# Altium PCB MJVESC_MINI.PcbDoc (part 2 of 3)
Units mm, origin at the board's own origin, x right, y up, seen from the top; angles counter-clockwise.
Board outline 56 x 73 mm, 4 copper layers (Top Layer, Mid Layer 1, Mid Layer 2, Bottom Layer), stack 1.63 mm thick; 162 components, 145 nets, 746 pads, 509 vias.
Unrouted connection lines stored in the file: 3.
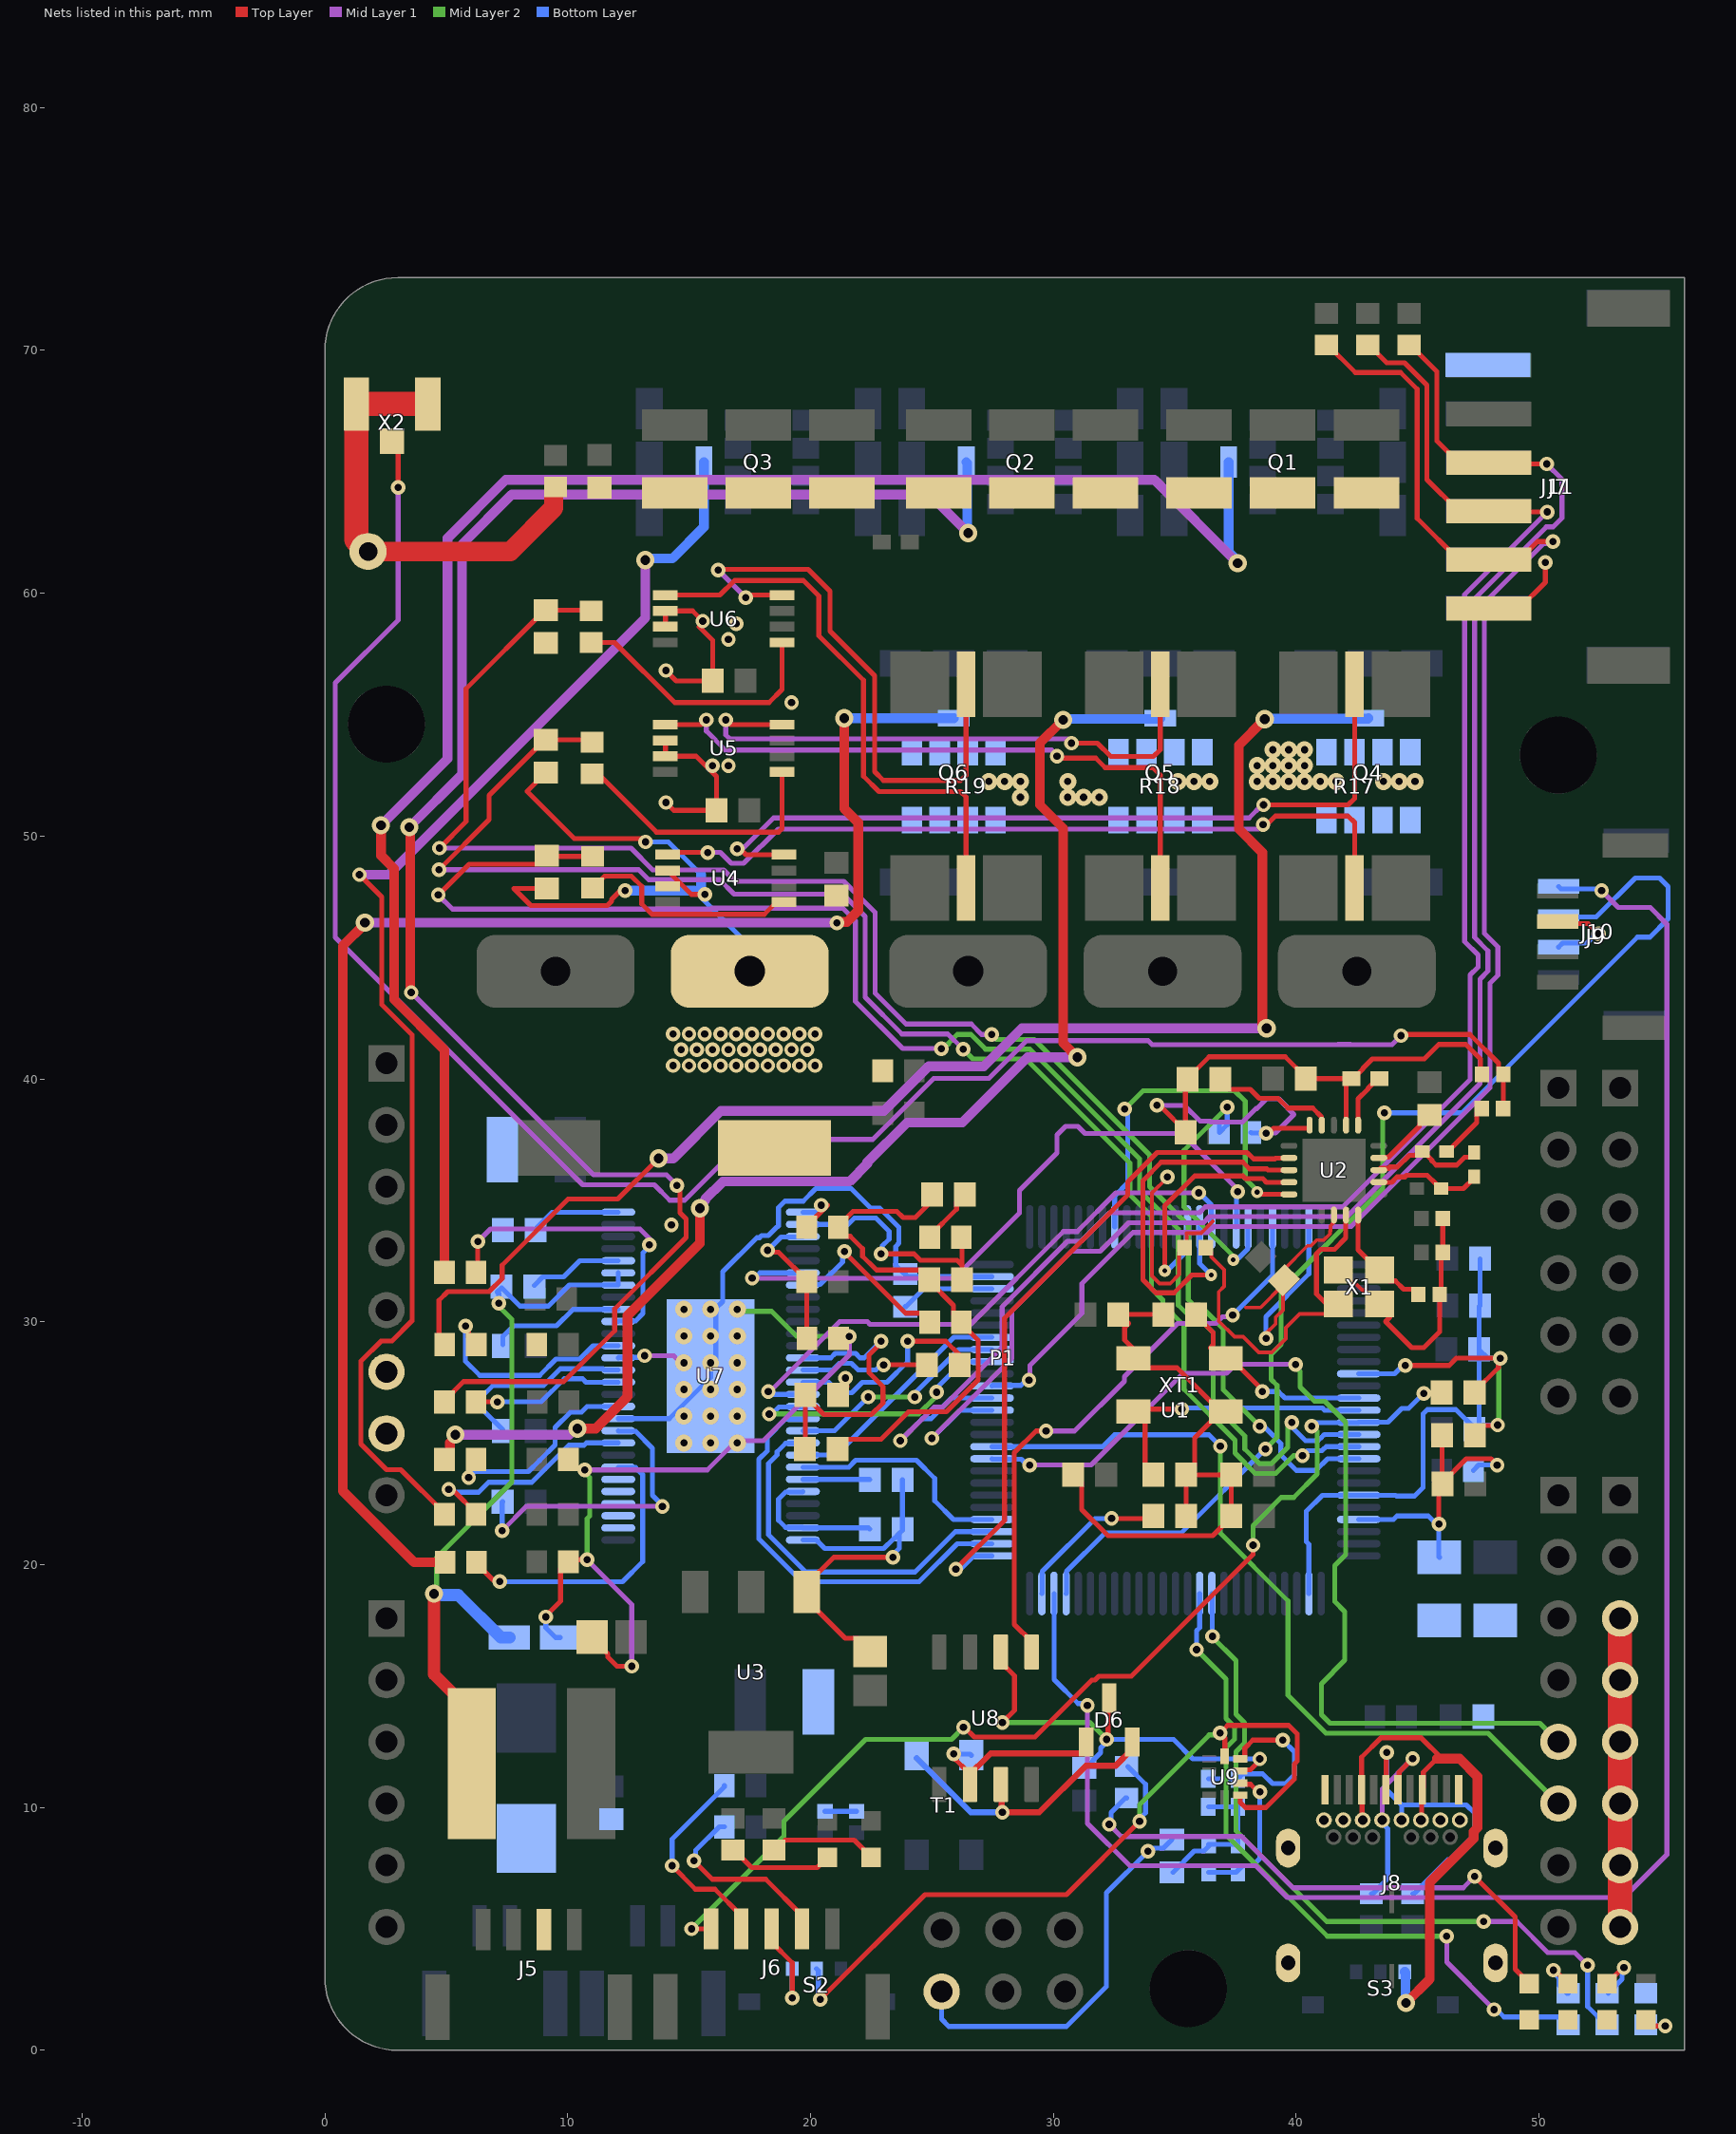
[diagram p4: the nets of this part, all layers, seen from the top]

## Via types
v1: diameter 0.6, hole 0.3, Top Layer to Bottom Layer, tented both sides, 278 vias
v2: diameter 0.7, hole 0.3, Top Layer to Bottom Layer, tented both sides, 176 vias
v3: diameter 0.75, hole 0.4, Top Layer to Bottom Layer, tented both sides, 26 vias
v4: diameter 0.7, hole 0.3, Top Layer to Bottom Layer, tented top, 18 vias
v5: diameter 0.5, hole 0.2, Top Layer to Bottom Layer, tented both sides, 6 vias
v6: diameter 0.5, hole 0.2, Top Layer to Bottom Layer, 4 vias
v7: diameter 0.75, hole 0.35, Top Layer to Bottom Layer, tented both sides, 1 vias

## Nets (pads, with @x,y where several pads share a name; then routed paths per layer and width w, separated by ;. In a path a pad name is that pad's centre, name@x,y a point inside that pad or via, vN(x,y) a via of type N, cw(c..) or ccw(c..) an arc to the next point about the centre after c; other vN are vias at no path point) (continued)
CAN_TRES_N: R42.2 R45.2 U9.4 | length 7.9
  Top Layer w0.203: U9.4@37.7,12 37.84,12 37.888,12.049 37.888,12.45 38.214,12.776 v1(39.446,12.776)
  Bottom Layer w0.203: R45.2@36.383,11.175 R42.2@37.6,11.175 37.6,11.184 37.798,11.382 38.622,11.382 39.026,10.978 39.57,10.978 39.924,11.332 39.924,12.299 v1(39.446,12.776)
CAN_TRES_P: R41.1 R44.1 U9.2 | length 6
  Top Layer w0.203: U9.2@37.7,11 37.746,10.955 38.116,10.955 38.428,10.643 v1(38.506,10.643)
  Bottom Layer w0.203: R44.1@36.4,7.325 37.525,7.325 37.798,7.598 38.21,7.598 38.506,7.895 v1(38.506,10.643)
CAN_TX: U1.96 U8.1 | length 24.3
  Top Layer w0.203: U8.1@29.11,16.4 29.11,16.825 28.396,17.54 28.396,24.611 29.285,25.5 v1(29.7,25.5)
  Mid Layer 1 w0.203: v1(29.7,25.5) 30.876,25.5 32.924,27.548 32.924,27.747 35.114,29.937 36.7,29.937 36.963,30.201 37.313,30.201 v1(37.389,30.277)
  Bottom Layer w0.203: v1(37.389,30.277) 39.028,31.916 U1.96@39.028,33.909
CS_A_N: R17.3 U4.1 | length 32.2
  Top Layer w0.203: U4.1@14.11,49.235 14.202,49.327 v1(15.773,49.327) ; v1(38.637,50.47) 38.786,50.47 39.142,50.826 42.138,50.826 42.408,50.556 R17.3@42.408,47.871
  Mid Layer 1 w0.203: v1(15.773,49.327) 16.29,49.327 16.382,49.235 16.382,49.229 16.736,48.875 17.251,48.875 18.668,50.292 38.459,50.292 v1(38.637,50.47) v1@38.617,50.47
CS_A_P: R17.4 U4.8 | length 33
  Top Layer w0.203: v1(16.986,49.479) 17.094,49.479 17.338,49.235 U4.8@18.91,49.235 ; v1(38.659,51.283) 42.139,51.283 42.408,51.552 R17.4@42.408,56.253
  Mid Layer 1 w0.203: v1(16.986,49.479) 17.209,49.479 18.479,50.749 38.062,50.749 38.595,51.283 v1(38.659,51.283)
CS_B_N: R18.3 U5.1 | length 26.3
  Top Layer w0.203: U5.1@14.094,54.589 15.508,54.589 v1(15.707,54.788) ; v1(30.15,53.289) 30.226,53.213 31.741,53.213 32.132,52.822 34.107,52.822 34.407,52.522 R18.3@34.407,47.871
  Mid Layer 1 w0.203: v1(15.707,54.788) 15.707,54.33 16.494,53.543 29.94,53.543 30.15,53.334 v1(30.15,53.289)
CS_B_P: R18.4 U5.8 | length 24.2
  Top Layer w0.203: v1(16.51,54.788) 16.709,54.589 U5.8@18.825,54.589 U5.8@18.894,54.589 ; v1(30.75,53.831) 31.818,53.831 32.37,53.279 34.127,53.279 34.407,53.56 R18.4@34.407,56.253
  Mid Layer 1 w0.203: v1(16.51,54.788) 16.51,54.173 16.683,54 30.58,54 v1(30.75,53.831)
CS_C_N: R19.3 U6.1 | length 23.3
  Top Layer w0.203: U6.1@14.025,59.923 16.272,59.923 16.872,60.523 19.713,60.523 20.345,59.891 20.345,58.252 22.18,56.417 22.18,52.47 22.817,51.833 26.187,51.833 26.406,51.615 R19.3@26.406,47.871
CS_C_P: R19.4 U6.8 | length 24.1
  Top Layer w0.203: v1(16.195,60.96) 16.195,60.98 19.902,60.98 20.802,60.08 20.802,58.441 22.637,56.606 22.637,52.659 23.006,52.29 26.187,52.29 26.406,52.509 R19.4@26.406,56.253 ; v1(17.338,59.817) 17.444,59.923 U6.8@18.825,59.923
  Mid Layer 1 w0.203: v1(16.195,60.96) v1(17.338,59.817)
CURRENT_1: C32.1 R23.2 U1.15 | length 63.5
  Top Layer w0.203: v1(4.674,47.574) 5.94,48.84 8.795,48.84 C32.1@9.143,49.189 9.168,49.164 R23.2@11.029,49.164
  Mid Layer 1 w0.203: v1(4.674,47.574) 5.253,46.995 15.897,46.995 15.937,47.036 21.332,47.036 21.85,46.518 21.85,43.195 23.795,41.25 v1(25.391,41.25)
  Mid Layer 2 w0.203: v1(25.391,41.25) 25.494,41.25 25.685,41.44 25.685,41.475 26.039,41.829 26.608,41.829 27.212,41.225 29.038,41.225 33.559,36.704 33.559,35.401 35.149,33.81 35.149,30.688 35.544,30.292 35.845,30.292 36.59,29.547 36.59,26.589 37.885,25.294 37.885,24.76 38.485,24.161 38.985,24.161 39.655,24.83 39.655,25.679 v1(39.824,25.848)
  Bottom Layer w0.203: v1(39.824,25.848) 39.824,25.666 40.39,25.1 40.89,25.1 41.017,25.227 41.03,25.227 41.162,25.359 U1.15@42.578,25.359
CURRENT_2: C33.1 R24.2 U1.16 | length 64.2
  Top Layer w0.203: v1(4.699,48.616) 6.763,50.68 6.763,51.677 9.05,53.964 C33.1@9.1,53.964 10.91,53.964 R24.2@11.011,53.863
  Mid Layer 1 w0.203: v1(4.699,48.616) 12.922,48.616 13.333,48.204 16.258,48.204 16.849,47.613 21.329,47.613 22.256,46.687 22.256,43.363 23.764,41.854 25.659,41.854 v1(26.289,41.224)
  Mid Layer 2 w0.203: v1(26.289,41.224) 26.695,40.819 28.87,40.819 33.153,36.536 33.153,35.233 34.04,34.345 34.04,31.363 34.507,30.896 34.507,30.716 35.381,29.843 35.381,27.224 37.48,25.125 37.48,24.591 38.316,23.755 39.154,23.755 39.885,24.486 v1(40.259,24.486)
  Bottom Layer w0.203: v1(40.259,24.486) 40.468,24.694 41.059,24.694 41.129,24.765 41.142,24.765 41.236,24.859 U1.16@42.578,24.859
CURRENT_3: C34.1 R25.2 U1.17 | length 68.5
  Top Layer w0.203: v1(4.724,49.505) 5.817,50.597 5.817,56.065 9.05,59.298 C34.1@9.1,59.298 10.944,59.298 R25.2@10.969,59.273 R25.2@11.03,59.334
  Mid Layer 1 w0.203: v1(4.724,49.505) 12.607,49.505 13.502,48.61 16.426,48.61 16.895,48.142 21.375,48.142 22.662,46.855 22.662,43.531 23.933,42.26 26.621,42.26 27.047,41.834 v1(27.457,41.834)
  Mid Layer 2 w0.203: v1(27.457,41.834) 27.661,41.631 29.207,41.631 33.965,36.872 33.965,35.569 35.555,33.979 35.555,30.917 35.773,30.698 36.013,30.698 36.996,29.716 36.996,27.207 v1(38.502,25.701)
  Bottom Layer w0.203: v1(38.502,25.701) 38.578,25.625 38.73,25.625 39.369,24.986 39.369,24.521 40.009,23.881 40.82,23.881 41.297,24.359 U1.17@42.578,24.359
EN_GATE: U1.91 U7.16 | length 24.3
  Mid Layer 1 w0.203: v1(18.263,27.127) 18.327,27.127 21.204,30.004 22.341,30.004 22.45,29.895 26.592,29.895 30.413,33.716 30.98,33.716 32.575,35.312 v1(35.986,35.312)
  Bottom Layer w0.203: v1(18.263,27.127) 18.378,27.012 U7.16@19.685,27.012 ; v1(35.986,35.312) 36.018,35.312 36.509,34.82 36.509,33.928 U1.91@36.528,33.909
FAULT: U1.93 U7.6 | length 28.4
  Mid Layer 1 w0.203: v1(17.6,31.8) 17.61,31.789 25.918,31.789 28.61,34.481 28.61,35.409 30.155,36.953 30.155,37.69 30.509,38.044 31.01,38.044 31.304,37.75 35.29,37.75 37.592,35.448 v1(37.592,35.357)
  Bottom Layer w0.203: v1(17.6,31.8) 17.707,31.8 17.919,32.012 U7.6@19.685,32.012 ; U1.93@37.528,33.909 37.547,33.928 37.547,35.311 v1(37.592,35.357)
GH_A: R14.2 U7.47 | length 13.2
  Top Layer w0.203: R14.2@6.223,32.029 6.3,32.106 v1(6.3,33.3)
  Mid Layer 1 w0.203: v1(6.3,33.3) 6.828,33.828 12.97,33.828 13.36,33.437 v1(13.36,33.172)
  Bottom Layer w0.203: U7.47@12.085,30.012 12.104,30.031 12.796,30.031 13.104,30.338 13.104,32.839 13.437,33.172 v1(13.36,33.172)
GH_B: R15.2 U7.42 | length 6.3
  Top Layer w0.203: R15.2@6.223,26.695 6.228,26.7 v1(7.1,26.7)
  Bottom Layer w0.203: v1(7.1,26.7) 8.904,26.7 9.86,27.656 10.612,27.656 10.756,27.512 U7.42@12.085,27.512
GH_C: R16.2 U7.37 | length 9.5
  Top Layer w0.203: v1(5.1,23.1) 5.176,23.024 5.322,23.024 6.223,22.123 R16.2@6.223,22.073
  Bottom Layer w0.203: v1(5.1,23.1) 5.207,23.1 5.329,22.979 6.332,22.979 6.745,23.392 8.522,23.392 10.048,24.918 10.679,24.918 10.773,25.012 U7.37@12.085,25.012
GL_A: R20.2 U7.45 | length 9.4
  Top Layer w0.203: v1(5.791,29.82) 5.791,29.712 5.915,29.589 5.915,29.381 R20.2@6.238,29.058
  Bottom Layer w0.203: v1(5.791,29.82) 5.791,28.381 6.383,27.79 8.845,27.79 9.523,28.468 10.497,28.468 11.041,29.012 U7.45@12.085,29.012
GL_B: R21.2 U7.40 | length 8.7
  Top Layer w0.203: v1(5.925,23.583) 5.925,24.035 R21.2@6.223,24.333
  Bottom Layer w0.203: v1(5.925,23.583) 6.167,23.825 8.381,23.825 8.849,24.294 9.484,24.928 9.484,25.645 10.119,26.279 10.569,26.279 10.802,26.512 U7.40@12.085,26.512
GL_C: R22.2 U7.35 | length 12.2
  Top Layer w0.203: R22.2@6.25,20.1 6.25,20.05 6.924,19.376 7.124,19.376 v1(7.2,19.3)
  Bottom Layer w0.203: v1(7.2,19.3) 12.261,19.3 13.09,20.129 13.09,23.7 12.796,23.993 12.104,23.993 U7.35@12.085,24.012
GND: C1.1 C2.2 C3.2 C4.1 C5.1 C6.1 C7.1 C8.1 C9.1 C10.1 C11.2 C12.2 C13.2 C14.2 C15.1 C16.1 C17.1 C18.1 C19.2 C20.2 C21.2 C22.2 C23.1 C24.1 C25.1 C26.1 C27.1 C28.1 C29.1 C30.1 C31.1 C32.2 C33.2 C34.2 C35.2 C36.1 C37.1 C38.2 C39.1 C41.2 C42.1 C45.1 C46.1 C49.1 C50.1 C51.1 C52.1 C53.1 C54.1 C55.2 C56.1 C57.2 C58.2 C59.2 C60.2 C61.2 C62.2 C63.2 C65.2 C66.1 C67.1 D1.2 D2.2 D5.A D6.3 D7.2 GND.1 J1.2 J5.2 J6.3 J7.1 J8.A1 J8.A12 J8.B1 J8.B12 J8.Shell J9.2 J10.2 J11.1 P1.5 P1.6 P1.36 P1.37 P1.38 P1.39 P1.40 P1.41 P1.55 Q4.7 Q4.8 Q4.9 Q4.10 Q4.11 Q4.12 Q4.13 Q4.14 Q5.7 Q5.8 Q5.9 Q5.10 Q5.11 Q5.12 Q5.13 Q5.14 Q6.7 Q6.8 Q6.9 Q6.10 Q6.11 Q6.12 Q6.13 Q6.14 R9.1 R12.2 R27.2 R30.2 R31.2 R32.2 R34.2 R37.2 R38.2 R40.2 R50.1 S2.2 U1.10 U1.20 U1.27 U1.74 U1.99 U2.8 U2.14 U2.17 U2.20 U3.1 U4.2 U4.3 U5.2 U5.3 U6.2 U6.3 U7.28 U7.30 U7.31 U7.32 U7.33 U7.34 U7.39 U7.44 U7.57 U8.2 U9.3 X1.2 X1.4 X2.2 XT1.G | length 356.6
  Top Layer w0.152: v1(34.696,35.966) 34.696,35.934 34.066,35.303 34.066,31.886 34.376,31.577 34.814,31.577 35.18,31.943 35.18,32.821 C61.2@35.404,33.045 35.486,33.045 35.486,33.644 36.085,33.644 36.571,34.13 ; 37.922,30.589 38.532,30.589 C60.2@39.456,31.513 ; v1(38.76,29.312) 38.76,29.515 39.155,29.909 39.155,30.183 39.456,30.484 C60.2@39.456,31.513 ; U2.8@41.554,34.396 41.536,34.377 41.536,34.079 41.409,33.952 41.409,33.74 41.391,33.721 41.391,33.62 41.137,33.366 40.856,33.366 40.618,33.127 40.468,33.127 39.492,32.151 C60.2@39.492,31.718 39.492,31.548 C60.2@39.456,31.513 ; X1.4@41.79,32.281 41.79,32.131 42.361,31.56 42.466,31.56 42.724,31.302 42.819,31.302 43.24,30.881 X1.2@43.34,30.881
  Top Layer w0.203: v1(9.1,17.85) 9.1,17.882 9.71,18.491 9.71,19.793 R40.2@10.033,20.117 10.116,20.2 v1(10.8,20.2) ; C33.2@9.1,52.614 8.327,51.841 10.275,49.893 13.073,49.893 v1(13.208,49.759) ; C32.2@9.143,47.839 7.783,47.839 8.488,47.135 11.63,47.135 11.809,47.313 11.809,47.396 12.164,47.752 v1(12.37,47.752) ; R37.2@10.033,24.333 10.033,24.283 10.356,23.96 10.64,23.96 v1(10.7,23.9) ; C16.1@11.011,17.018 11.011,16.968 11.656,16.323 11.656,16.192 12.033,15.815 v1(12.643,15.815) ; U5.2@14.025,53.939 U5.3@14.025,53.289 15.291,53.289 16.125,52.455 C30.1@16.125,51.06 14.37,51.06 v1(14.046,51.384) ; U6.3@14.025,58.623 U6.2@14.025,59.273 15.141,59.273 v1(15.563,58.851) ; v1(14.046,56.82) 14.472,56.394 C31.1@15.979,56.394 15.979,58.062 v1@15.418,58.623 ; U4.2@14.11,48.585 15.095,47.6 v1(15.646,47.6) ; J6.3@18.4,5 18.4,4.45 19.25,3.6 v1(19.25,2.15) ; C46.1@21.122,24.765 21.122,24.815 21.47,25.163 22.909,25.163 24.041,26.296 25.6,26.296 26.905,27.6 26.905,29.237 26.212,29.929 R32.2@26.212,29.979 25.889,30.303 25.889,30.68 24.887,31.682 24.887,31.782 24.539,32.13 22.715,32.13 22.65,32.195 22.144,32.701 22.144,33.011 21.638,33.517 21.466,33.517 21.264,33.719 21.264,34.062 21.753,34.551 23.555,34.551 23.811,34.295 24.312,34.295 25.014,34.997 C38.2@25.014,35.287 ; C45.1@21.143,26.982 21.504,27.343 21.438,27.409 v1(21.438,27.686) ; C17.1@22.454,16.421 21.905,16.969 21.427,16.969 19.851,18.545 U3.1@19.851,18.87 19.851,19.195 20.956,20.3 v1(23.4,20.3) ; U8.2@27.84,15.975 28.404,15.411 28.404,14.005 v1(27.9,13.5) ; C11.2@30.825,23.7 31.174,23.351 31.174,22.272 32.25,21.196 36.571,21.196 37.325,21.95 C10.1@37.325,23.7 C2.2@35.475,23.7 ; v1(32.2,12.8) 32.25,12.85 32.25,14.45 D6.3@32.3,14.5 ; v1(34.265,38.913) 34.341,38.837 34.452,38.837 C54.1@35.444,37.845 ; C3.2@34.525,30.3 C12.2@32.675,30.3 32.847,30.128 32.847,29.967 33.067,29.967 33.108,29.926 32.935,29.753 32.935,29.253 33.248,28.939 33.067,28.758 32.987,28.758 33.245,28.5 XT1.G@33.3,28.5 33.699,28.102 35.099,28.102 XT1.G@36.9,26.3 ; C54.1@35.444,37.795 C54.1@35.444,37.845 ; C5.1@35.475,22 C2.2@35.475,23.7 ; XT1.G@37.1,26.3 XT1.G@36.9,26.3 ; U9.3@37.7,11.5 37.746,11.546 38.116,11.546 38.5,11.929 v1(38.5,12) ; v1(38.76,37.77) 38.868,37.77 39.067,37.969 40.533,37.969 40.554,37.991 U2.20@40.554,38.096 ; C58.2@40.405,40.009 R50.1@42.253,40.009 ; C58.2@40.405,40.059 39.55,40.914 36.416,40.914 35.535,40.034 C63.2@35.535,39.984 35.444,39.892 C54.1@35.444,37.845 ; U2.17@42.054,38.096 42.054,39.811 R50.1@42.253,40.009 ; X1.2@43.34,30.881 43.854,30.367 43.854,30.181 43.682,30.008 44.755,28.936 45.256,28.936 45.911,29.59 C62.2@45.911,31.124 45.974,31.187 45.974,32.788 C66.1@46.038,32.851 C67.1@46.038,34.255 ; U2.14@43.404,36.746 43.436,36.778 43.805,36.778 45.089,38.062 45.089,38.163 45.437,38.511 C59.2@45.487,38.511 ; v1(44.5,28.2) 46.3,28.2 46.6,28.5 v1(48.4,28.5) 48.324,28.424 48.324,28.107 47.349,27.132 C6.1@47.349,27.082 ; J7.1@46.841,59.379 J7.1@47.941,59.379 49.191,59.379 50.267,60.454 v1(50.267,61.265) ; C20.2@47.364,25.379 47.713,25.728 48.278,25.728 v1(48.3,25.75) ; C65.2@47.655,40.189 47.596,40.248 47.596,40.813 46.986,41.422 45.876,41.422 45.278,40.824 43.138,40.824 42.75,40.436 42.75,40.405 42.354,40.009 R50.1@42.279,40.009 R50.1@42.253,40.009 ; J9.2@50.765,46.485 50.851,46.398 52.02,46.398 52.444,45.974 v1(52.451,45.974) ; C2.2@35.475,23.7 35.475,23.75 35.823,24.098 35.823,25.223 XT1.G@36.9,26.3
  Top Layer w0.8: GND.1@1.778,61.722 7.627,61.722 9.424,63.519 9.424,64.349 9.449,64.374 R38.2@9.499,64.374
  Top Layer w1: GND.1@1.778,61.722 1.295,62.205 X2.2@1.295,67.793 X2.2@4.245,67.793 ; P1.41@53.34,5.08 P1.40@53.34,7.62 P1.39@53.34,10.16 P1.38@53.34,12.7 P1.37@53.34,15.24 P1.36@53.34,17.78
  Mid Layer 1 w0.203: v1(10.7,23.9) 15.75,23.9 16.862,25.012 v4(16.985,25.012) 17.072,25.099 18.054,25.099 21.6,28.645 v1(21.6,29.4) ; v1(10.8,20.2) 12.643,18.357 v1(12.643,15.815) ; v1(13.171,28.6) 14.363,28.6 14.65,28.312 v4(14.785,28.312) ; v1(34.265,38.913) 35.391,38.913 36.046,38.258 36.462,38.258 36.493,38.227 37.789,38.227 38.342,38.78 38.383,38.78 38.781,39.178 39.281,39.178 39.636,38.824 39.636,38.808 39.912,38.532 39.15,37.77 v1(38.76,37.77)
  Mid Layer 2 w0.203: v1(10.7,23.9) 10.7,23.793 10.905,23.588 10.905,22 10.8,21.895 v1(10.8,20.2) ; v4(16.985,30.512) 17.066,30.431 18.396,30.431 19.427,29.4 v1(21.6,29.4) ; v1(27.9,13.5) 31.5,13.5 v1(32.2,12.8) ; v1(48.3,25.75) 48.35,25.8 48.35,28.45 v1(48.4,28.5)
  Bottom Layer w0.203: v1(9.1,17.85) 9.1,17.398 9.498,17 D5.A@9.7,17 ; U7.39@12.085,26.012 14.182,26.012 15.885,27.716 U7.57@15.885,27.762 15.885,28.097 16.1,28.312 U7.57@16.1,30.512 ; U7.44@12.085,28.512 12.104,28.531 13.102,28.531 v1(13.171,28.6) ; v1(13.208,49.759) 14.148,49.759 15.494,48.412 ; v1@15.507,47.46 17.5,45.467 J1.2@17.5,44.434 ; U7.57@16.1,30.553 16.383,30.836 16.383,32.058 17.789,33.464 17.903,33.464 17.987,33.548 18.268,33.548 18.619,33.899 18.634,33.899 18.68,33.946 18.68,34.2 18.681,34.324 18.68,34.7 18.947,34.967 19.702,34.967 20.216,35.481 21.678,35.481 22.483,34.676 22.856,34.676 23.642,33.89 23.642,33.236 23.51,33.105 23.51,32.323 23.859,31.975 C4.1@23.9,31.975 24.016,31.859 U1.74@27.478,31.859 ; v1(19.25,2.15) S2.2@19.25,3.355 ; U7.28@19.685,21.012 20.235,21.012 20.589,20.659 23.015,20.659 23.421,21.065 23.44,21.065 C51.1@23.664,21.288 ; C53.1@20.6,9.84 C57.2@21.9,9.84 ; v1(23.4,20.3) 23.4,20.407 23.664,20.671 C51.1@23.664,21.288 ; C49.1@23.789,23.495 C51.1@23.789,21.463 23.789,21.413 C51.1@23.664,21.288 ; P1.55@25.4,2.413 25.4,1.282 25.697,0.985 30.543,0.985 32.184,2.625 32.184,6.484 v1(33.9,8.2) ; C56.1@31.27,11.622 31.32,11.622 31.955,12.258 31.955,12.448 32.2,12.693 v1(32.2,12.8) 34.95,12.8 35.75,12 v1(38.5,12) ; v1@34.135,8.327 34.535,8.327 C55.2@34.883,8.676 ; R9.1@38.14,37.795 38.166,37.77 v1(38.76,37.77) ; v1(38.76,29.312) 38.76,30.206 40.528,31.974 U1.99@40.528,33.909 ; U1.27@40.528,18.809 40.528,20.841 40.423,20.946 40.423,22.201 41.08,22.859 U1.20@42.578,22.859 44.097,22.859 44.135,22.822 44.878,22.822 45.232,23.176 45.232,24.689 45.23,24.691 45.23,26.204 45.409,26.382 46.58,26.382 47.335,25.628 C22.2@47.335,25.578 47.507,25.75 v1(48.3,25.75) ; U1.10@42.578,27.859 44.052,27.859 44.393,28.2 v1(44.5,28.2) ; C22.2@47.538,25.781 C9.1@47.538,28.848 ; C7.1@47.578,32.594 C8.1@47.578,30.663 47.538,30.623 C9.1@47.538,28.848 ; v1(48.4,28.5) 47.887,28.5 C9.1@47.538,28.848 ; J10.2@50.809,45.426 50.977,45.594 51.976,45.594 52.356,45.974 v1(52.451,45.974)
  Bottom Layer w0.4: v1(12.37,47.752) 15.215,47.752 ; 15.494,48.412 15.494,47.752 v1(15.646,47.6)
  Bottom Layer w1: P1.41@53.34,5.08 P1.40@53.34,7.62 P1.39@53.34,10.16 P1.38@53.34,12.7
  other v1: 14.275,33.985 14.343,40.551 14.993,40.551 15.643,40.551 16.293,40.551 16.943,40.551 17.593,40.551 18.243,40.551 18.893,40.551 19.543,40.551 20.193,40.551 14.668,41.201 15.318,41.201 15.968,41.201 16.618,41.201 17.268,41.201 17.918,41.201 18.568,41.201 19.218,41.201 19.868,41.201 14.343,41.851 14.993,41.851 15.643,41.851 16.293,41.851 16.943,41.851 17.593,41.851 18.243,41.851 18.893,41.851 19.543,41.851 20.193,41.851 15.968,52.901 16.618,52.901 19.218,55.501 16.618,58.101 16.943,58.751
  other v2: 28.643,51.601 30.593,51.601 31.243,51.601 31.893,51.601 27.343,52.251 27.993,52.251 28.643,52.251 30.593,52.251 35.143,52.251 35.793,52.251 36.443,52.251 38.393,52.251 39.043,52.251 39.693,52.251 40.343,52.251 40.993,52.251 41.643,52.251 43.593,52.251 44.243,52.251 44.893,52.251 38.393,52.901 39.043,52.901 39.693,52.901 40.343,52.901 39.043,53.551 39.693,53.551 40.343,53.551
  other v4: 14.785,25.012 15.885,25.012 14.785,26.112 15.885,26.112 16.985,26.112 14.785,27.212 15.885,27.212 16.985,27.212 15.885,28.312 16.985,28.312 14.785,29.412 15.885,29.412 16.985,29.412 14.785,30.512 15.885,30.512
GVDD: C45.2 C46.2 U7.13 | length 12.5
  Top Layer w0.203: C46.2@19.772,24.765 19.793,24.786 19.793,26.932 20.547,26.177 22.511,26.177 22.982,26.648 22.982,27.336 22.407,27.911 22.407,28.63 22.9,29.123 v1(22.9,29.2)
  Bottom Layer w0.203: U7.13@19.685,28.512 20.835,28.512 21.019,28.696 21.856,28.696 22.041,28.512 22.212,28.512 v1(22.9,29.2)
H1: U1.67 U7.17 | length 11.8
  Mid Layer 2 w0.203: v1(18.3,26.2) 18.311,26.211 24.465,26.211 25.124,26.869 25.124,27.024 v1(25.2,27.1)
  Bottom Layer w0.203: v1(18.3,26.2) 18.407,26.2 18.701,26.493 19.666,26.493 U7.17@19.685,26.512 ; v1(25.2,27.1) 25.2,27.28 26.274,28.354 27.473,28.354 U1.67@27.478,28.359
H2: U1.68 U7.19 | length 9.3
  Mid Layer 2 w0.203: v1(22.377,26.899) v1@24.299,26.899
  Bottom Layer w0.203: U7.19@19.685,25.512 20.991,25.512 v1(22.377,26.899) ; v1(24.3,26.9) 24.376,26.976 24.376,27.131 26.104,28.859 U1.68@27.478,28.859
H3: U1.69 U7.21 | length 9.8
  Bottom Layer w0.203: U7.21@19.685,24.512 21.057,24.512 25.904,29.359 U1.69@27.478,29.359
HALL_1: J7.4 R6.1 U1.63 | length 69.9
  Top Layer w0.203: R6.1@44.65,70.226 44.7,70.226 45.795,69.131 45.795,66.274 46.691,65.379 J7.4@47.941,65.379 47.991,65.329 v1(50.317,65.329)
  Mid Layer 1 w0.203: v1(25,25.2) 28.295,28.495 28.295,30.45 30.75,32.904 31.933,32.904 33.109,34.081 36.184,34.081 36.432,34.328 42.095,34.328 47.575,39.808 47.575,44.114 47.899,44.438 47.899,45.275 47.346,45.828 47.346,59.773 50.306,62.733 50.583,62.733 50.947,63.097 50.947,64.699 v1(50.317,65.329)
  Bottom Layer w0.203: v1(25,25.2) 26.159,26.359 U1.63@27.478,26.359
HALL_2: J7.3 R7.1 U1.64 | length 72.9
  Top Layer w0.203: R7.1@42.95,70.226 43,70.226 43.732,69.494 44.466,69.494 45.389,68.57 45.389,64.68 46.691,63.379 J7.3@47.941,63.379 48.062,63.5 48.215,63.348 v1(50.343,63.348)
  Mid Layer 1 w0.203: v1(23.7,25.1) 25.095,26.495 25.45,26.495 27.889,28.935 27.889,30.619 30.581,33.31 31.148,33.31 32.324,34.487 36.015,34.487 36.263,34.734 41.927,34.734 47.169,39.976 47.169,44.282 47.493,44.606 47.493,45.107 46.94,45.66 46.94,59.945 v1(50.343,63.348)
  Bottom Layer w0.203: v1(23.7,25.1) 24.608,26.008 24.963,26.008 25.814,26.859 U1.64@27.478,26.859
HALL_3: J7.2 R8.1 U1.65 | length 67.2
  Top Layer w0.203: R8.1@41.25,70.226 41.3,70.226 42.438,69.088 44.298,69.088 44.983,68.402 44.983,63.086 46.691,61.379 J7.2@47.941,61.379 49.191,61.379 49.941,62.128 v1(50.571,62.128)
  Mid Layer 1 w0.203: v1(29,27.6) 29.041,27.641 29.041,28.204 31.176,30.339 31.176,31.574 33.277,33.675 36.352,33.675 36.6,33.923 42.264,33.923 47.981,39.639 47.981,43.945 48.305,44.27 48.305,45.443 47.752,45.996 47.752,59.605 50.199,62.052 50.495,62.052 v1(50.571,62.128)
  Bottom Layer w0.203: U1.65@27.478,27.359 27.497,27.378 28.67,27.378 28.893,27.6 v1(29,27.6)
I2C2_SCL/UART3_TX: J10.3 U1.47 | length 48.9
  Mid Layer 2 w0.203: v1(38.735,24.765) 39.212,25.242 39.212,27.378 38.969,27.621 38.969,28.665 39.376,29.072 39.376,31.305 43.566,35.496 43.566,38.537 v1(43.637,38.608)
  Bottom Layer w0.203: U1.47@30.528,18.809 30.547,18.828 30.547,19.72 32.122,21.295 35.265,21.295 v1(38.735,24.765) ; v1(43.637,38.608) 46.822,38.608 54.055,45.842 54.571,45.842 55.316,46.587 55.316,47.926 54.962,48.28 53.963,48.28 52.358,46.676 J10.3@50.809,46.676
I2C2_SDA/UART3_RX: J10.4 U1.48 | length 79.5
  Mid Layer 1 w0.203: v1(31.4,14.2) 31.4,9.345 33.15,7.595 38.333,7.595 39.64,6.288 53.499,6.288 55.265,8.054 55.265,46.377 54.581,47.061 53.269,47.061 v1(52.578,47.752)
  Bottom Layer w0.203: U1.48@30.028,18.809 30.028,15.267 31.019,14.276 31.324,14.276 v1(31.4,14.2) ; J10.4@50.809,47.926 50.907,47.828 52.502,47.828 v1(52.578,47.752)
L1: U1.52 U7.18 | length 17.1
  Bottom Layer w0.203: U7.18@19.685,26.012 19.666,25.993 18.974,25.993 18.218,25.238 18.218,24.685 17.869,24.335 17.869,21.062 19.641,19.289 24.473,19.289 26.043,20.859 U1.52@27.478,20.859
L2: U1.53 U7.20 | length 15.3
  Bottom Layer w0.203: U7.20@19.685,25.012 19.666,24.993 18.974,24.993 18.624,24.644 18.624,24.516 18.275,24.167 18.275,21.23 19.809,19.695 24.305,19.695 25.969,21.359 U1.53@27.478,21.359
L3: U1.54 U7.22 | length 9.5
  Bottom Layer w0.203: U7.22@19.685,24.012 21.575,24.012 21.863,24.299 24.365,24.299 25.116,23.548 25.116,22.629 25.886,21.859 U1.54@27.478,21.859
LED_GREEN: R2.1 U1.35 | length 30.1
  Mid Layer 1 w0.203: v1(47.725,5.3) 49.089,5.3 50.363,4.026 51.474,4.026 v1(52,3.5)
  Mid Layer 2 w0.203: v1(36.551,17.043) 36.551,17.013 37.521,16.043 37.521,13.833 37.873,13.481 37.873,12.644 37.521,12.292 37.521,9.041 41.258,5.305 47.72,5.305 v1(47.725,5.3)
  Bottom Layer w0.203: U1.35@36.528,18.809 36.551,18.786 v1(36.551,17.043) ; v1(52,3.5) 52,1.8 52.75,1.05 R2.1@52.8,1.05
LED_RED: R1.1 U1.36 | length 28.7
  Mid Layer 1 w0.203: v1(46.2,4.7) 46.2,3.625 v1(48.15,1.675)
  Mid Layer 2 w0.203: v1(35.9,16.5) 37.115,15.285 37.115,13.665 37.467,13.313 37.467,12.812 37.115,12.46 37.115,8.873 41.288,4.7 v1(46.2,4.7)
  Bottom Layer w0.203: v1(35.9,16.5) 35.9,17.282 36.028,17.41 U1.36@36.028,18.809 ; v1(48.15,1.675) 48.257,1.675 48.559,1.374 50.877,1.374 R1.1@51.2,1.05
NetC2_1: C2.1 U1.13 XT1.1 | length 12.2
  Top Layer w0.203: XT1.1@33.3,26.3 33.5,26.3 33.777,26.024 33.777,24.048 C2.1@34.125,23.7 ; XT1.1@33.5,26.359 33.546,26.405 v1(35.295,26.405)
  Bottom Layer w0.203: v1(35.295,26.405) 35.342,26.453 41.077,26.453 41.171,26.359 U1.13@42.578,26.359
NetC3_1: C3.1 U1.12 XT1.3 | length 8.7
  Top Layer w0.203: C3.1@35.875,30.3 35.875,30.253 36.223,29.905 36.224,29.902 36.236,29.902 36.59,29.547 36.59,29.047 36.472,28.928 36.9,28.5 37.3,28.5 38.608,27.192 v1(38.608,27.127)
  Bottom Layer w0.203: v1(38.608,27.127) 39.273,27.127 39.541,26.859 U1.12@42.578,26.859
NetC4_2: C4.2 U1.73 | length 3.9
  Bottom Layer w0.203: C4.2@23.9,30.625 23.931,30.625 24.665,31.359 U1.73@27.478,31.359
NetC5_2: C5.2 U1.49 | length 6.4
  Top Layer w0.203: v1(32.4,21.9) 34.025,21.9 C5.2@34.125,22
  Bottom Layer w0.203: U1.49@29.528,18.809 29.547,18.828 29.547,19.72 31.726,21.9 v1(32.4,21.9)
NetC19_1: C19.1 C20.1 L1.1 R13.1 U1.22 | length 12.3
  Top Layer w0.203: v1(45.877,21.676) 45.877,23.175 L1.1@46.025,23.323 46.014,23.334 C20.1@46.014,25.329 ; L1.1@46.025,23.373 47.011,24.359 48.02,24.359 v1(48.277,24.101)
  Bottom Layer w0.203: U1.22@42.578,21.859 44.005,21.859 44.152,22.006 45.44,22.006 45.77,21.676 v1(45.877,21.676) ; C19.1@45.9,20.3 45.877,20.323 45.877,21.493 45.885,21.5 v1@45.9,21.5 ; R13.1@47.299,23.882 47.519,24.101 v1(48.277,24.101)
NetC35_1: C35.1 R26.1 U7.2 | length 10.2
  Top Layer w0.203: v1(22.9,32.8) 24.266,32.8 24.53,32.536 26.035,32.536 26.237,32.334 ; R26.1@26.212,33.484 26.237,33.459 26.237,32.334 ; C35.1@26.237,31.732 26.237,32.334
  Bottom Layer w0.203: U7.2@19.685,34.012 21.551,34.012 21.809,34.27 22.687,34.27 23.236,33.722 23.236,33.405 22.959,33.128 22.959,32.859 v1(22.9,32.8)
NetC36_2: C36.2 U7.56 | length 3.7
  Bottom Layer w0.203: C36.2@8.676,33.782 8.676,33.832 9.356,34.512 U7.56@12.085,34.512
NetC38_1: C38.1 R26.2 | length 2.4
  Top Layer w0.203: R26.2@24.912,33.484 24.912,33.534 26.016,34.638 26.016,34.888 C38.1@26.364,35.237
NetC40_1: C40.1 D5.K L2.1 U7.50 U7.51 | length 31.7
  Top Layer w0.5: v3(4.5,18.8) 4.5,15.48 6.049,13.931 L2.1@6.049,11.811
  Mid Layer 2 w0.203: v3(4.5,18.8) 4.6,18.9 4.6,20.297 7.705,23.402 7.705,30.096 7.163,30.637 v1(7.163,30.759)
  Bottom Layer w0.203: v1(7.163,30.759) 7.163,31.158 7.1,31.221 7.281,31.402 8.036,30.648 9.207,30.648 10.071,31.512 U7.50@12.085,31.512 U7.51@12.085,32.012
  Bottom Layer w0.5: v3(4.5,18.8) 4.548,18.752 5.498,18.752 7.25,17 D5.K@7.6,17
NetC40_2: C40.2 U7.52 | length 3.9
  Bottom Layer w0.203: C40.2@8.631,31.502 8.979,31.851 9.836,31.851 10.497,32.512 U7.52@12.085,32.512
NetC43_2: C43.2 U7.48 | length 5.6
  Bottom Layer w0.203: C43.2@7.325,29.05 7.325,29.392 7.768,29.836 9.544,29.836 10.22,30.512 U7.48@12.085,30.512
NetC44_2: C44.2 U7.43 | length 7.9
  Bottom Layer w0.203: C44.2@7.325,25.5 7.325,25.55 6.496,26.38 6.496,26.95 6.929,27.383 9.013,27.383 9.692,28.062 11.459,28.062 11.509,28.012 U7.43@12.085,28.012
NetC47_1: C47.1 U7.14 | length 5.4
  Top Layer w0.203: v1(23.011,28.226) C47.1@24.8,28.226
  Bottom Layer w0.203: U7.14@19.685,28.012 20.909,28.012 21.187,28.29 21.688,28.29 21.966,28.012 22.689,28.012 22.904,28.226 v1(23.011,28.226)
NetC47_2: C47.2 U7.15 | length 8.6
  Top Layer w0.203: v1(24,29.2) 25.568,29.199 26.15,28.617 C47.2@26.15,28.226
  Bottom Layer w0.203: U7.15@19.685,27.512 20.757,27.512 21.187,27.082 21.705,27.082 22.136,27.512 23.152,27.512 24,28.36 v1(24,29.2)
NetC48_2: C48.2 U7.38 | length 12.5
  Mid Layer 1 w0.203: v1(7.3,21.4) 8.3,22.4 v1(13.9,22.4)
  Bottom Layer w0.203: v1(7.3,21.4) 7.3,22.567 C48.2@7.321,22.588 ; U7.38@12.085,25.512 12.104,25.493 12.796,25.493 13.496,24.794 13.496,22.85 13.9,22.446 v1(13.9,22.4)
NetC49_2: C49.2 U7.23 | length 2.8
  Bottom Layer w0.203: U7.23@19.685,23.512 22.422,23.512 C49.2@22.439,23.495
NetC51_2: C51.2 U7.24 U7.27 | length 5.9
  Bottom Layer w0.203: U7.24@19.685,23.012 19.666,22.993 18.974,22.993 18.681,22.7 18.681,21.824 18.974,21.531 19.666,21.531 U7.27@19.685,21.512 22.39,21.512 C51.2@22.439,21.463
NetC55_1: C55.1 R41.2 R42.1 R44.2 R45.1 | length 6
  Bottom Layer w0.203: C55.1@34.933,7.326 35.808,8.202 36.202,8.202 36.4,8.4 R44.2@36.4,8.475 R41.2@37.6,8.475 R42.1@37.6,10.025 R45.1@36.383,10.025
NetC61_1: C61.1 U2.9 X1.1 | length 14.9
  Top Layer w0.152: C61.1@36.284,33.045 36.508,32.821 36.508,32.668 37.029,32.147 37.029,31.452 36.81,31.233 36.81,30.037 37.462,29.385 37.81,29.385 38.462,28.733 39,28.733 39.573,29.306 39.573,29.749 40.146,30.322 41.216,30.322 41.248,30.354 X1.1@41.248,30.734 ; 41.101,30.881 X1.1@41.64,30.881
  Top Layer w0.203: X1.1@41.248,30.734 41.101,30.881 40.836,31.146 40.836,31.455 40.836,32.807 41.014,32.986 41.579,32.986 42.045,33.452 42.045,34.387 U2.9@42.054,34.396
NetC62_1: C62.1 U2.10 X1.3 | length 4.7
  Top Layer w0.203: U2.10@42.554,34.396 42.554,32.967 43.839,31.683 44.086,31.683 44.426,31.342 44.832,31.342 45.031,31.144 C62.1@45.031,31.124
NetC63_1: C63.1 U2.19 | length 5.2
  Top Layer w0.203: C63.1@36.885,39.984 36.885,39.934 37.241,39.578 38.106,39.578 38.479,39.205 39.255,39.205 39.661,38.799 40.684,38.799 41.045,38.437 41.045,38.105 U2.19@41.054,38.096
NetC64_1: C64.1 C65.1 X2.1 | length 79.4
  Top Layer w0.152: C65.1@48.518,40.171 C65.1@48.535,40.189
  Top Layer w0.203: X2.1@2.77,66.268 3.023,66.015 v1(3.023,64.364) ; v1(44.323,41.783) 44.368,41.828 47.155,41.828 48.337,40.646 48.337,40.387 C65.1@48.535,40.189 ; C64.1@48.518,38.784 48.527,38.793 48.527,40.163 C65.1@48.518,40.171
  Mid Layer 1 w0.203: v1(3.023,64.364) 3.023,58.903 0.432,56.312 0.432,45.831 10.619,35.643 13.566,35.643 14.202,35.006 14.818,35.006 17.321,37.51 22.568,37.51 25.076,40.017 27.348,40.017 28.905,41.574 33.903,41.574 34.069,41.408 41.722,41.408 41.736,41.422 42.237,41.422 42.251,41.408 43.948,41.408 v1(44.323,41.783)
NetC64_2: C64.2 L3.2 | length 2.4
  Top Layer w0.203: L3.2@46.192,37.008 46.242,37.008 47.44,38.205 47.44,38.586 C64.2@47.638,38.784
NetD1_1: D1.1 R1.2 | length 2
  Top Layer w0.203: v1(50.6,3.3) 50.642,3.3 D1.1@51.192,2.75
  Bottom Layer w0.203: v1(50.6,3.3) 50.6,3.193 50.827,2.966 50.827,2.673 51.15,2.35 R1.2@51.2,2.35
NetD2_1: D2.1 R2.2 | length 2.3
  Top Layer w0.203: D2.1@52.8,2.75 53.45,3.4 v1(53.5,3.4)
  Bottom Layer w0.203: R2.2@52.85,2.35 53.424,2.924 53.424,3.324 v1(53.5,3.4)
NetD3_2: D3.2 R12.1 | length 1.7
  Top Layer w0.203: D3.2@54.4,1.25 54.65,1 v1(55.2,1)
  Bottom Layer w0.203: R12.1@54.4,1.05 54.45,1 v1(55.2,1)
NetD4_2: D4.2 R48.1 | length 4.5
  Top Layer w0.203: R48.1@18.5,8.25 18.55,8.25 18.954,8.654 21.795,8.654 D4.2@22.5,7.95
NetD6_1: D6.1 T1.1 U8.6 | length 7.6
  Top Layer w0.203: v1(25.9,12.2) 25.976,12.124 25.976,11.969 26.438,11.507 U8.6@26.438,11.243
  Top Layer w0.254: U8.6@26.438,11.243 27.422,12.227 31.177,12.227 31.35,12.4 D6.1@31.35,12.7
  Bottom Layer w0.203: v1(25.9,12.2) 26.575,12.2 T1.1@26.625,12.15
NetD6_2: D6.2 T1.4 U8.7 | length 12.2
  Top Layer w0.254: U8.7@27.84,10.95 27.87,10.92 v1@27.87,9.895 ; v1(27.9,9.8) 29.422,9.8 31.33,11.708 32.558,11.708 33.25,12.4 D6.2@33.25,12.7
  Bottom Layer w0.254: T1.4@24.375,12.025 26.6,9.8 v1(27.9,9.8)
NetD7_1: D7.1 R43.2 | length 23.5
  Top Layer w0.203: v1(47.346,7.163) 49.016,5.492 49.016,3.334 D7.1@49.6,2.75 D7.1@49.302,3.049
  Mid Layer 1 w0.203: v1(32.3,9.3) 32.796,8.804 37.758,8.804 39.868,6.694 46.877,6.694 v1(47.346,7.163)
  Bottom Layer w0.203: v1(32.3,9.3) 32.376,9.376 32.376,9.79 32.97,10.384 R43.2@33.02,10.384
NetD8_2: D8.2 R49.1 | length 4.4
  Top Layer w0.203: R49.1@16.8,8.25 16.85,8.25 17.58,7.521 20.271,7.521 D8.2@20.7,7.95
NetJ6_2: J6.2 R4.1 | length 8
  Top Layer w0.203: v1(15.2,7.8) 15.958,7.042 18.158,7.042 19.65,5.55 J6.2@19.65,5
  Bottom Layer w0.203: v1(15.2,7.8) 15.276,7.876 15.276,8.234 16.242,9.2 R4.1@16.45,9.2
NetJ6_4: J6.4 R5.1 | length 8.4
  Top Layer w0.203: v1(14.3,7.6) 15.264,6.636 16.064,6.636 17.15,5.55 J6.4@17.15,5
  Bottom Layer w0.203: v1(14.3,7.6) 14.3,8.7 16.45,10.85 R5.1@16.45,10.9
NetJ8_A4: J8.A4 J8.A9 J8.B4 J8.B9 S3.1 | length 23.2
  Top Layer w0.203: J8.B9@42.742,9.478 42.717,9.503 42.717,10.703 J8.A4@42.692,10.728 42.692,12.072 43.487,12.867 45.147,12.867 46.006,12.008 ; J8.B4@45.142,9.478 45.167,9.503 45.167,10.703 J8.A9@45.192,10.728 ; J8.A9@45.167,10.753 45.238,10.824 45.238,11.454 45.791,12.008
  Top Layer w0.4: v3(44.525,1.95) 45.497,2.922 45.497,6.903 47.309,8.715 47.309,9.002 47.47,9.163 47.47,11.27 46.732,12.008 46.067,12.008 ; 45.791,12.008 46.006,12.008
  Bottom Layer w0.4: S3.1@44.475,3.23 44.5,3.205 44.5,1.975 v3(44.525,1.95)
NetJ8_A6: J8.A6 J8.B6 R11.2 | length 12.2
  Top Layer w0.203: J8.A6@43.692,10.728 43.715,10.751 43.715,12.24 v1(43.737,12.263)
  Bottom Layer w0.203: v1(43.737,12.263) 43.737,10.714 44.342,10.109 ; J8.B6@44.342,9.478 44.342,10.109 ; R11.2@44.8,6.45 44.85,6.45 46.245,7.845 46.3,7.845 47.371,8.917 47.371,9.739 47.001,10.109 44.342,10.109
NetJ8_A7: J8.A7 J8.B7 R10.2 | length 8
  Top Layer w0.203: J8.A7@44.192,10.728 44.238,10.774 44.238,11.454 v1(44.8,12.017)
  Mid Layer 1 w0.203: J8.B7@43.542,9.478 43.542,10.759 v1(44.8,12.017)
  Bottom Layer w0.203: R10.2@43.1,6.45 43.15,6.45 43.772,7.071 43.772,9.128 43.542,9.357 J8.B7@43.542,9.478
NetL3_1: L3.1 L4.1 U2.13 | length 4.7
  Top Layer w0.203: U2.13@43.404,36.246 43.475,36.316 43.807,36.316 43.863,36.372 44.174,36.372 44.662,36.859 45.044,36.859 L3.1@45.192,37.008 45.242,37.008 45.588,36.662 45.588,36.632 45.766,36.453 46.618,36.453 46.939,36.774 47.185,36.774 47.333,36.923 L4.1@47.333,36.973
NetL4_2: L4.2 L5.1 U2.12 | length 4.5
  Top Layer w0.203: U2.12@43.404,35.746 43.937,35.746 44.157,35.966 44.471,35.966 44.544,36.039 45.397,36.039 45.772,35.664 45.772,35.633 45.921,35.484 46.895,35.484 47.333,35.923 L4.2@47.333,35.973
NetQ1_15: Q1.15 R14.1 | length 71.7
  Top Layer w0.4: v3(2.311,50.444) 2.311,49.203 2.853,48.662 2.853,43.27 4.923,41.2 R14.1@4.923,32.029
  Mid Layer 1 w0.4: v3(2.311,50.444) 5.051,53.184 5.051,62.27 7.449,64.668 34.163,64.668 v3(37.592,61.239)
  Bottom Layer w0.4: Q1.15@37.221,65.4 37.221,61.705 37.592,61.334 v3(37.592,61.239)
NetQ2_15: Q2.15 R15.1 | length 74.9
  Top Layer w0.203: R15.1@4.923,26.695 4.923,26.745 5.711,27.534 9.84,27.534 11.938,29.632 11.938,30.531 14.879,33.472 14.879,34.236 14.63,34.484 14.63,35.789 14.63,35.738 v1(14.503,35.611)
  Top Layer w0.4: v3(3.48,50.368) 3.518,50.33 3.518,43.599 v1(3.556,43.561)
  Mid Layer 1 w0.203: v1(3.556,43.561) 11.068,36.049 14.065,36.049 14.399,35.715 14.45,35.715 14.503,35.662 v1(14.503,35.611)
  Mid Layer 1 w0.4: v3(3.48,50.368) 5.654,52.542 5.654,62.02 7.699,64.065 24.911,64.065 v3(26.492,62.484)
  Bottom Layer w0.4: Q2.15@26.417,65.4 26.455,65.362 26.455,62.522 v3(26.492,62.484)
NetQ3_15: Q3.15 R16.1 | length 54.3
  Top Layer w0.203: v1(1.422,48.412) 2.349,47.486 2.349,43.061 3.594,41.815 3.594,30.043 2.761,29.21 2.319,29.21 1.486,28.377 1.486,24.963 2.534,23.914 3.131,23.914 4.923,22.123 R16.1@4.923,22.073
  Mid Layer 1 w0.4: v1(1.422,48.412) 2.624,48.412 13.2,58.989 v3(13.2,61.366)
  Bottom Layer w0.4: v3(13.2,61.366) 13.267,61.433 14.316,61.433 15.613,62.73 Q3.15@15.613,65.4
NetQ4_15: Q4.15 R20.1 | length 58.9
  Top Layer w0.203: R20.1@4.938,29.058 4.704,29.292 4.704,30.883 5.058,31.237 6.761,31.237 7.3,31.776 7.3,32.329 10.023,35.052 12.065,35.052 v3(13.741,36.728)
  Top Layer w0.4: v3(38.71,54.813) 37.64,53.744 37.64,50.293 38.608,49.325 38.608,42.266 v3(38.786,42.088)
  Mid Layer 1 w0.4: v3(13.741,36.728) 14.354,36.728 16.307,38.681 23.026,38.681 24.867,40.521 27.139,40.521 28.706,42.088 v3(38.786,42.088)
  Bottom Layer w0.4: v3(38.71,54.813) 38.731,54.835 42.955,54.835 Q4.15@42.976,54.856
NetQ5_15: Q5.15 R21.1 | length 54.3
  Top Layer w0.203: R21.1@4.923,24.333 R21.1@4.923,24.383
  Top Layer w0.4: R21.1@4.923,24.383 5.148,24.608 5.148,25.028 ; v3(10.4,25.6) 11.151,25.6 12.468,26.917 12.468,30.254 15.443,33.229 v3(15.443,34.671) ; v3(30.404,54.788) 29.447,53.831 29.447,51.283 30.404,50.326 30.404,41.478 v3(30.988,40.894)
  Mid Layer 1 w0.4: v3(5.375,25.35) 10.055,25.35 ; v3(15.443,34.671) 15.443,34.766 15.656,34.978 15.656,35.044 16.388,35.776 21.611,35.776 22.343,36.508 22.343,36.57 23.978,38.205 26.25,38.205 28.939,40.894 v3(30.988,40.894)
  Bottom Layer w0.4: v3(30.404,54.788) 30.438,54.822 34.373,54.822 Q5.15@34.407,54.856
NetQ6_15: Q6.15 R22.1 | length 62.4
  Top Layer w0.4: v3(1.651,46.431) 1.651,46.392 0.737,45.478 0.737,23.033 3.669,20.1 4.9,20.1 R22.1@4.95,20.15 ; v1(21.082,46.431) 21.12,46.469 21.506,46.469 21.965,46.928 21.965,50.556 21.387,51.134 v3(21.387,54.856)
  Mid Layer 1 w0.4: v3(1.651,46.431) v1(21.082,46.431)
  Bottom Layer w0.4: v3(21.387,54.856) Q6.15@25.898,54.856
NetR9_2: R9.2 U1.94 | length 11.1
  Mid Layer 2 w0.203: v1(37.16,38.837) 37.16,38.835 35.382,37.057 35.382,34.727 37.412,32.696 v5(37.412,32.556)
  Bottom Layer w0.203: R9.2@36.84,38.132 R9.2@36.84,37.795 37.164,38.119 37.164,38.839 37.162,38.837 v1(37.16,38.837) ; v5(37.412,32.556) 37.469,32.613 37.625,32.613 38.009,32.998 38.009,33.89 U1.94@38.028,33.909
NetR23_1: R23.1 U4.5 | length 9.4
  Top Layer w0.203: R23.1@11.029,47.864 11.522,48.356 12.62,48.356 13.048,47.929 13.048,47.205 13.476,46.777 18.098,46.777 18.605,47.285 U4.5@18.91,47.285
NetR24_1: R24.1 U5.5 | length 11.2
  Top Layer w0.203: R24.1@11.011,52.563 11.258,52.563 13.656,50.165 18.68,50.165 18.825,50.31 U5.5@18.825,52.639
NetR25_1: R25.1 U6.5 | length 11
  Top Layer w0.203: R25.1@10.969,57.973 11.931,57.973 14.405,55.499 18.288,55.499 18.825,56.036 U6.5@18.825,57.973
NetR27_1: R27.1 U7.1 | length 2.6
  Top Layer w0.203: R27.1@19.843,33.941 20.701,34.799 20.696,34.804 v1(20.445,34.804)
  Bottom Layer w0.203: U7.1@19.685,34.512 20.261,34.512 20.553,34.804 v1(20.445,34.804)
NetR28_2: R28.2 R31.1 U7.3 | length 6.2
  Top Layer w0.203: v1(18.237,32.944) 18.313,32.868 18.68,32.868 19.843,31.705 19.843,29.334 R31.1@19.858,29.319
  Bottom Layer w0.203: v1(18.237,32.944) 18.787,33.493 19.666,33.493 U7.3@19.685,33.512
NetR32_1: R32.1 U7.7 | length 7.3
  Top Layer w0.203: v1(21.4,32.9) 21.4,32.871 23.918,30.352 24.589,30.352 24.912,30.029 R32.1@24.912,29.979
  Bottom Layer w0.203: U7.7@19.685,31.512 19.704,31.531 20.396,31.531 21.324,32.458 21.324,32.824 v1(21.4,32.9)
NetR43_1: R43.1 S2.C U9.1 U9.5 | length 34.9
  Top Layer w0.203: v1(20.4,2.1) 24.713,6.413 30.54,6.413 v1(33.552,9.425) ; U9.5@37.06,12.11 37.06,12.865 v1(36.863,13.063) 37.181,13.381 39.697,13.381 40.051,13.027 40.051,11.916 39.924,11.789 39.924,11.169 38.75,9.995 37.908,9.995 37.7,10.204 U9.1@37.7,10.5
  Mid Layer 2 w0.203: v1(33.552,9.425) 33.552,10.116 36.422,12.987 36.787,12.987 v1(36.863,13.063)
  Bottom Layer w0.203: S2.C@20.25,3.355 20.325,3.28 20.325,2.175 v1(20.4,2.1) ; R43.1@33.07,11.684 33.8,10.954 33.8,9.781 33.552,9.533 v1(33.552,9.425)
NetR50_2: R50.2 U2.16 | length 2.3
  Top Layer w0.203: U2.16@42.554,38.096 42.554,39.179 42.959,39.583 42.959,39.614 43.354,40.009 R50.2@43.429,40.009
NRF_CS: U1.51 U2.2 | length 27.9
  Top Layer w0.203: v1(25.984,19.816) 27.99,21.822 27.99,30.144 33.066,35.221 33.066,35.765 34.278,36.977 37.975,36.977 38.247,36.705 39.124,36.705 39.156,36.737 39.695,36.737 U2.2@39.704,36.746
  Bottom Layer w0.203: v1(25.984,19.816) 26.06,19.892 26.261,19.892 26.728,20.359 U1.51@27.478,20.359
NRF_MISO: U1.83 U2.5 | length 15.9
  Top Layer w0.203: v5(38.395,35.338) 38.475,35.338 38.568,35.246 U2.5@39.704,35.246
  Mid Layer 2 w0.203: v1(32.944,38.76) 33.701,39.517 37.466,39.517 37.902,39.081 37.902,35.901 38.395,35.409 v5(38.395,35.338)
  Bottom Layer w0.203: U1.83@32.528,33.909 32.528,35.178 33.066,35.716 33.066,38.531 32.944,38.653 v1(32.944,38.76)
NRF_MOSI: U1.89 U2.4 | length 10.6
  Top Layer w0.203: v5(34.595,32.106) 34.595,34.776 35.819,36 37.804,36 37.911,35.893 38.625,35.893 38.772,35.746 U2.4@39.704,35.746
  Bottom Layer w0.203: v5(34.595,32.106) 34.652,32.162 34.748,32.162 35.509,32.924 35.509,33.845 U1.89@35.528,33.864
NRF_SCK: U1.90 U2.3 | length 16.1
  Top Layer w0.203: v5(36.5,31.928) 35.703,31.928 34.972,31.196 34.218,31.196 33.685,31.729 33.685,35.81 34.446,36.571 37.807,36.571 38.079,36.299 38.793,36.299 38.846,36.246 U2.3@39.704,36.246
  Bottom Layer w0.203: U1.90@36.028,33.909 36.028,32.4 v5(36.5,31.928)
nRST: C6.2 J6.5 U1.14 | length 43.8
  Top Layer w0.203: v1(15.1,5) J6.5@15.9,5 ; v1(26.3,13.3) 26.346,13.3 26.75,12.896 29.241,12.896 31.591,15.246 31.716,15.246 31.874,15.405 33.211,15.405 38.225,20.419 v1(38.225,20.8) ; v1(45.252,27.048) 45.966,27.048 C6.2@46,27.082
  Mid Layer 2 w0.203: v1(15.1,5) 18.91,8.81 18.91,9.443 22.271,12.805 25.805,12.805 v1(26.3,13.3) ; v1(38.225,20.8) 38.225,21.605 39.384,22.764 39.9,22.764 40.863,23.727 40.863,25.481 v1(40.64,25.705)
  Bottom Layer w0.203: v1(40.64,25.705) 40.64,25.846 40.643,25.843 42.559,25.843 42.578,25.861 43.783,25.861 44.352,26.431 44.634,26.431 v1(45.252,27.048)
PD12: P1.17 U1.59 | length 40.8
  Mid Layer 1 w0.203: v1(29.032,24.101) 31.561,24.101 35.341,27.881 37.127,27.881 37.492,28.245 v1(39.98,28.245)
  Mid Layer 2 w0.203: v1(39.98,28.245) 39.98,28.137 40.165,27.952 40.165,27.312 40.756,26.72 41.181,26.72 42.038,25.863 42.038,20.412 41.59,19.964 41.59,18.481 42.006,18.064 42.006,16.063 41.038,15.094 41.038,13.821 41.397,13.462 50.038,13.462 P1.17@50.8,12.7
  Bottom Layer w0.203: U1.59@27.478,24.359 27.494,24.343 28.683,24.343 28.925,24.101 v1(29.032,24.101)
PD13: P1.16 U1.60 | length 34.2
  Mid Layer 2 w0.203: v1(36.875,24.875) 36.875,21.295 39.667,18.503 39.667,14.618 41.229,13.056 47.904,13.056 P1.16@50.8,10.16
  Bottom Layer w0.203: U1.60@27.478,24.859 32.034,24.859 32.519,25.344 36.406,25.344 v1(36.875,24.875)